# Altium PCB CONTROLLER.PcbDoc (part 1 of 4) (continued)
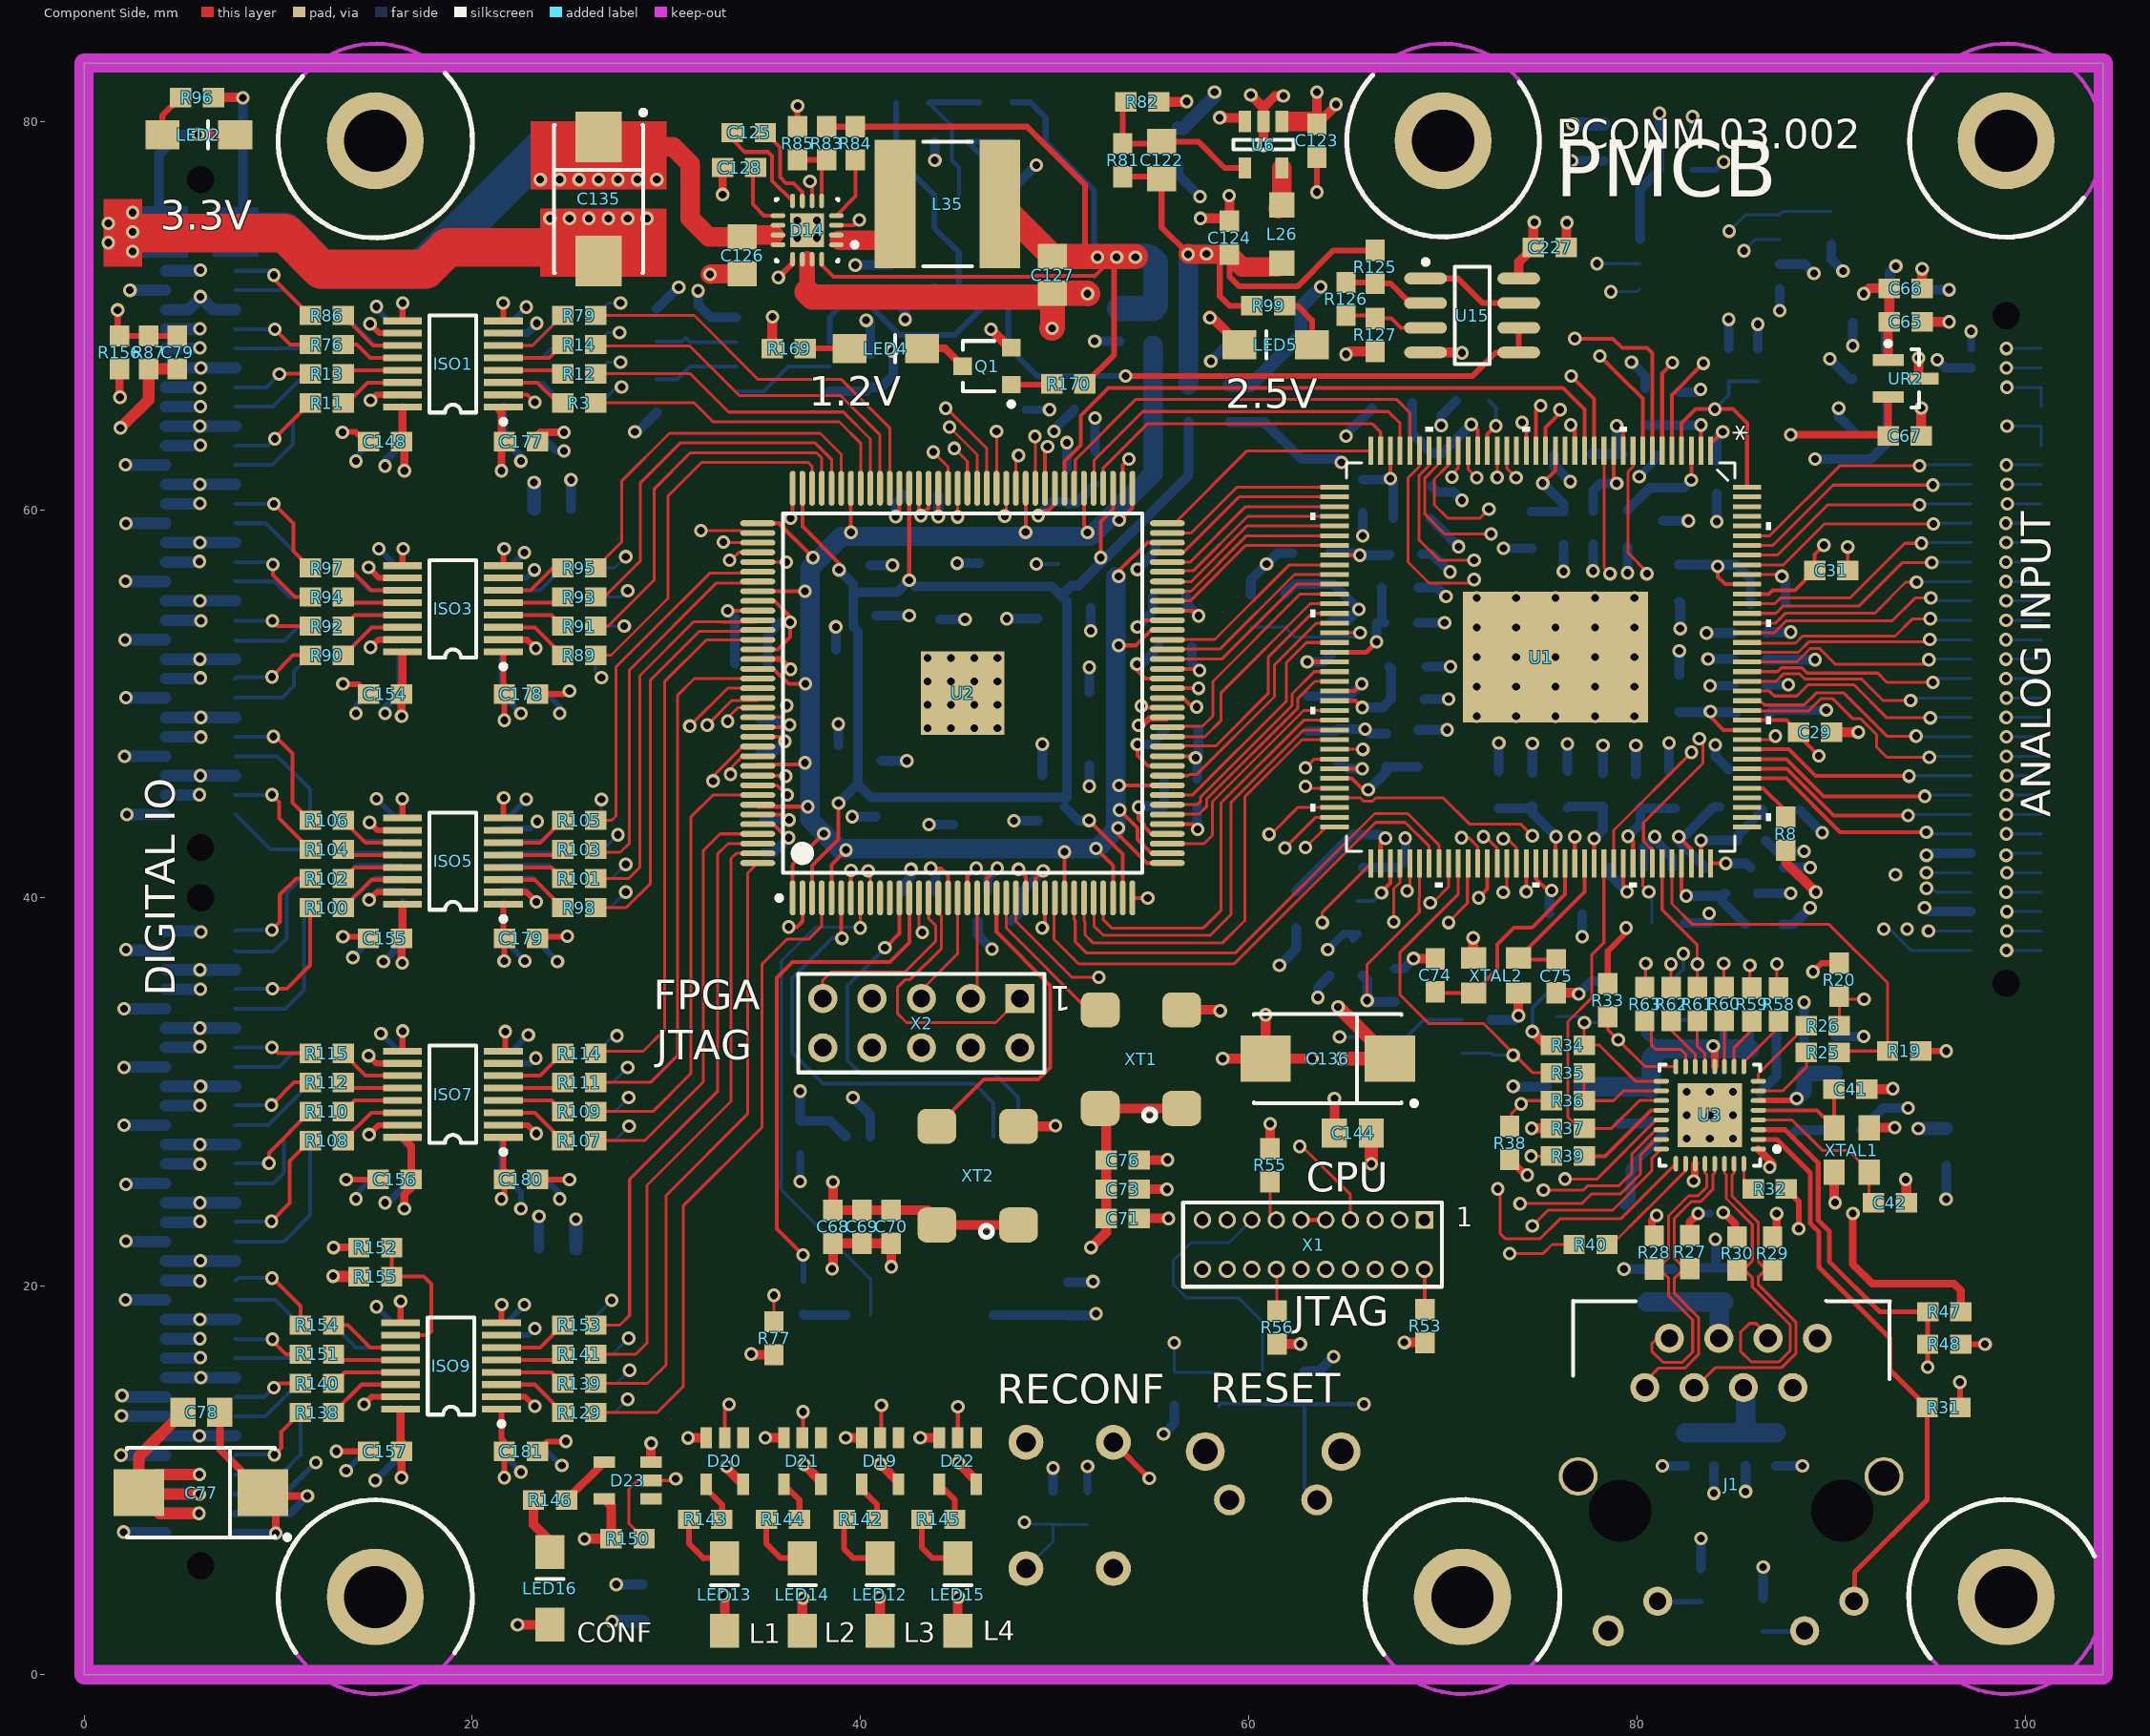
[diagram p0: Component Side view]
## Components (designator, comment, footprint, x,y, rotation, side; value= is the part's Value field where it differs from the comment) (continued)
C100 "ChipCap" "SMD CAP 0603" 40.767,43.332 r270 bottom value=0,1uF
C101 "ChipCap" "SMD CAP 0603" 50.19,58.053 r90 bottom value=2,2uF
C102 "ChipCap" "SMD CAP 0603" 34.366,53.543 r0 bottom value=0,1uF
C103 "ChipCap" "SMD CAP 0603" 43.104,60.757 r0 bottom value=0,1uF
C104 "ChipCap" "SMD CAP 0603" 50.622,61.265 r270 bottom value=0,1uF
C107 "ChipCap" "SMD CAP 0603" 35.027,43.18 r90 bottom value=0,1uF
C110 "ChipCap" "SMD CAP 0603" 43.002,40.31 r0 bottom value=0,1uF
C111 "ChipCap" "SMD CAP 0603" 56.15,52.832 r0 bottom value=0,1uF
C112 "ChipCap" "SMD CAP 0603" 34.823,48.362 r270 bottom value=0,1uF
C113 "ChipCap" "SMD CAP 0603" 34.366,52.07 r0 bottom value=2,2uF
C114 "ChipCap" "SMD CAP 0603" 53.34,69.52 r90 bottom value=2,2uF
C115 "ChipCap" "SMD CAP 0603" 36.881,27.661 r90 bottom value=0,1uF
C116 "ChipCap" "SMD CAP 0603" 50.673,19.355 r270 bottom value=0,1uF
C117 "ChipCap" "SMD CAP 0603" 49.53,54.813 r45 bottom value=2,2uF
C120 "ChipCap" "SMD CAP 0603" 58.014,68.58 r180 bottom value=2,2uF
C121 "ChipCap" "SMD CAP 0603" 54.331,58.191 r180 bottom value=0,1uF
C122 "ChipCap" "SMD CAP 0805" 55.5,78 r270 top value="9pF NP0 5% 50V 0805"
C123 "ChipCap" "SMD CAP 0603" 63.5,79 r90 top value="4,7uF X5R 6,3V 0603"
C124 "ChipCap" "SMD CAP 0603" 59,74 r270 top value="10uF X5R 6,3V 0603"
C125 "ChipCap" "SMD CAP 0603" 34.24,79.416 r0 top value="10nF X7R 10% 25V 0603"
C126 "ChipCap" "SMD CAP 0805" 33.895,73.094 r90 top value="22uF X5R 6.3V 0805"
C127 "ChipCap" "SMD CAP 0805" 49.886,72.085 r90 top value="22uF X5R 6.3V 0805"
C128 "ChipCap" "SMD CAP 0603" 33.745,77.619 r0 top value="10nF X7R 10% 25V 0603"
C129 "ChipCap" "SMD CAP 0603" 82,77.5 r0 bottom value=0,1uF
C130 "ChipCap" "SMD CAP 0603" 82,79 r0 bottom value=2,2uF
C131 "ChipCap" "SMD CAP 0603" 62.865,14.783 r270 bottom value=0,1uF
C132 "ChipCap" "SMD CAP 0603" 51.689,8.585 r270 bottom value=0,01uF
C133 "Tant Cap D-case" D 26.5,76 r270 bottom value="470uF, 6.3V"
C134 "Tant Cap D-case" D 62.687,65.811 r270 bottom value="470uF, 6.3V"
C135 "Tant Cap D-case" D 26.5,76 r270 top value="470uF, 6.3V"
C136 "Tant Cap D-case" D 64.059,31.725 r180 top value="470uF, 6.3V"
C137 "ChipCap" "SMD CAP 0805" 24.384,21.946 r0 bottom value="22uF X5R 6.3V 0805"
C138 "ChipCap" "SMD CAP 0805" 56.363,78.699 r90 bottom value="22uF X5R 6.3V 0805"
C139 "ChipCap" "SMD CAP 0805" 95.91,27.178 r90 bottom value="22uF X5R 6.3V 0805"
C140 "ChipCap" "SMD CAP 0805" 28.778,3.693 r270 bottom value="22uF X5R 6.3V 0805"
C141 "ChipCap" "SMD CAP 0805" 78.257,78.908 r90 bottom value="22uF X5R 6.3V 0805"
C142 "ChipCap" "SMD CAP 0805" 24.13,60.02 r180 bottom value="22uF X5R 6.3V 0805"
C143 "ChipCap" "SMD CAP 0805" 59.004,65.456 r90 bottom value="22uF X5R 6.3V 0805"
C144 "ChipCap" "SMD CAP 0805" 65.354,27.889 r0 top value="22uF X5R 6.3V 0805"
C148 "ChipCap" "SMD CAP 0603" 15.5,63.5 r0 top value=0,1uF
C154 "ChipCap" "SMD CAP 0603" 15.5,50.5 r0 top value=0,1uF
C155 "ChipCap" "SMD CAP 0603" 15.494,37.922 r0 top value=0,1uF
C156 "ChipCap" "SMD CAP 0603" 16,25.5 r0 top value=0,1uF
C157 "ChipCap" "SMD CAP 0603" 15.5,11.5 r0 top value=0,1uF
C161 "ChipCap" "SMD CAP 0603" 15.5,63.5 r180 bottom value=0,1uF
C162 "ChipCap" "SMD CAP 0603" 15.5,50.5 r180 bottom value=0,1uF
C163 "ChipCap" "SMD CAP 0603" 15.5,38 r180 bottom value=0,1uF
C164 "ChipCap" "SMD CAP 0603" 16,25.5 r180 bottom value=0,1uF
C165 "ChipCap" "SMD CAP 0603" 15.5,11.5 r180 bottom value=0,1uF
C169 "ChipCap" "SMD CAP 0603" 22.5,63.5 r180 bottom value=0,1uF
C170 "ChipCap" "SMD CAP 0603" 22.5,50.5 r180 bottom value=0,1uF
C171 "ChipCap" "SMD CAP 0603" 22.5,38 r180 bottom value=0,1uF
C172 "ChipCap" "SMD CAP 0603" 22.5,25.5 r180 bottom value=0,1uF
C173 "ChipCap" "SMD CAP 0603" 22.5,11.5 r180 bottom value=0,1uF
C177 "ChipCap" "SMD CAP 0603" 22.5,63.5 r0 top value=0,1uF
C178 "ChipCap" "SMD CAP 0603" 22.5,50.5 r0 top value=0,1uF
C179 "ChipCap" "SMD CAP 0603" 22.504,37.922 r0 top value=0,1uF
C180 "ChipCap" "SMD CAP 0603" 22.5,25.5 r0 top value=0,1uF
C181 "ChipCap" "SMD CAP 0603" 22.5,11.5 r0 top value=0,1uF
C185 "ChipCap" "SMD CAP 0603" 56.159,14.707 r90 bottom value=0,1uF
C186 "ChipCap" "SMD CAP 0603" 91.948,69.621 r0 bottom value=0,1uF
C188 "ChipCap" "SMD CAP 0603" 91.999,64.033 r0 bottom value=2,2uF
C225 "ChipCap" "SMD CAP 0603" 40.5,67.15 r270 bottom value=0,1uF
C226 "ChipCap" "SMD CAP 0603" 41.605,71.755 r270 bottom value=0,1uF
C227 "ChipCap" "SMD CAP 0603" 75.5,73.5 r180 top value=0,1uF
D14 "TPS62090" QFN50P300X300X100-16N 37.245,74.394 r180 top value=TPS62090RGTR
D19 "Inverted Schmitt Trigger" "TI-SOT23 SOT95P280X145-5N" 41,11 r270 top value=SN74AHC1G14
D20 "Inverted Schmitt Trigger" "TI-SOT23 SOT95P280X145-5N" 33,11 r270 top value=SN74AHC1G14
D21 "Inverted Schmitt Trigger" "TI-SOT23 SOT95P280X145-5N" 37,11 r270 top value=SN74AHC1G14
D22 "Inverted Schmitt Trigger" "TI-SOT23 SOT95P280X145-5N" 45,11 r270 top value=SN74AHC1G14
D23 "Inverted Schmitt Trigger" "TI-SOT23 SOT95P280X145-5N" 28,10 r180 top value=SN74AHC1G14
ISO1 "ISO7140 Isolator" DBQ016 19,67.5 r90 top value=ISO7140
ISO2 "ISO7140 Isolator" DBQ016 19,67.5 r90 bottom value=ISO7140
ISO3 "ISO7140 Isolator" DBQ016 19,54.892 r90 top value=ISO7140
ISO4 "ISO7140 Isolator" DBQ016 18.904,54.892 r90 bottom value=ISO7140
ISO5 "ISO7140 Isolator" DBQ016 19,41.892 r90 top value=ISO7140
ISO6 "ISO7140 Isolator" DBQ016 19,42 r90 bottom value=ISO7140
ISO7 "ISO7140 Isolator" DBQ016 19,29.892 r90 top value=ISO7140
ISO8 "ISO7140 Isolator" DBQ016 18.904,29.892 r90 bottom value=ISO7140
ISO9 "ISO7140 Isolator" DBQ016 18.904,15.892 r90 top value=ISO7140
ISO10 "ISO7140 Isolator" DBQ016 18.904,15.892 r90 bottom value=ISO7140
J1 "J0011D01BNL RJ45wMagnetics" J0011D01BNL 80.391,14.783 r180 top
L1 "LQM21" "SMD IND 0805" 62.433,39.395 r270 bottom value=BLM21PG600SN1D
L2 "LQM21" "SMD IND 0805" 82.144,56.21 r90 bottom value=BLM21PG600SN1D
L3 "LQM21" "SMD IND 0805" 82.169,50.521 r270 bottom value=BLM21PG600SN1D
L4 "LQM21" "SMD IND 0805" 79.502,59.03 r270 bottom value=BLM21PG600SN1D
L5 "LQM21" "SMD IND 0805" 84.252,45.644 r90 bottom value=BLM21PG600SN1D
L6 "LQM21" "SMD IND 0805" 87.407,44.53 r0 bottom value=BLM21PG600SN1D
L8 "LQM21" "SMD IND 0805" 91.512,27.088 r270 bottom value=BLM21PG600SN1D
L9 "LQM21" "SMD IND 0805" 76.284,30.273 r0 bottom value=BLM21PG600SN1D
L10 "LQM21" "SMD IND 0805" 80.416,65.38 r90 bottom value=BLM21PG600SN1D
L11 "LQM21" "SMD IND 0805" 68.712,47.705 r90 bottom value=BLM21PG600SN1D
L12 "LQM21" "SMD IND 0805" 76.676,62.83 r180 bottom value=BLM21PG600SN1D
L13 "LQM21" "SMD IND 0805" 74.473,58.953 r270 bottom value=BLM21PG600SN1D
L14 "LQM21" "SMD IND 0805" 68.174,51.918 r0 bottom value=BLM21PG600SN1D
L15 "LQM21" "SMD IND 0805" 67.793,55.982 r0 bottom value=BLM21PG600SN1D
L16 "LQM21" "SMD IND 0805" 67.31,65.227 r180 bottom value=BLM21PG600SN1D
L17 "LQM21" "SMD IND 0805" 63.195,57.76 r180 bottom value=BLM21PG600SN1D
L18 "LQM21" "SMD IND 0805" 68.377,59.563 r0 bottom value=BLM21PG600SN1D
L19 "LQM21" "SMD IND 0805" 72.873,45.568 r90 bottom value=BLM21PG600SN1D
L20 "LQM21" "SMD IND 0805" 76.403,45.593 r90 bottom value=BLM21PG600SN1D
L21 "LQM21" "SMD IND 0805" 81.636,45.593 r90 bottom value=BLM21PG600SN1D
L22 "LQM21" "SMD IND 0805" 86.563,38.506 r0 bottom value=BLM21PG600SN1D
L25 "LQM21" "SMD IND 0805" 56.896,65.481 r270 bottom value=BLM21PG600SN1D
L26 "CDRH2D14" "CDRH2D14 IND" 61.693,75.693 r270 top value=2.2uH
L35 "LQH66S" "INDC6363X50N LQH66S" 44.475,75.743 r0 top value=1uH
L36 "LQM21" "SMD IND 0805" 55.067,69.418 r270 bottom value=BLM21PG220SN1D
LED2 "LED BLH" "1206 LED" 7.789,79.299 r180 top value="LED BLH 0603 RED"
LED4 "LED BLH" "1206 LED" 43.171,68.301 r180 top value="LED BLH 0603 RED"
LED5 "LED BLH" "1206 LED" 59.5,68.5 r0 top value="LED BLH 0603 RED"
LED12 "LED BLH" "1206 LED" 41,6 r270 top value="LED BLH 0603 RED"
LED13 "LED BLH" "1206 LED" 33,6 r270 top value="LED BLH 0603 RED"
LED14 "LED BLH" "1206 LED" 37,6 r270 top value="LED BLH 0603 RED"
LED15 "LED BLH" "1206 LED" 45,6 r270 top value="LED BLH 0603 RED"
LED16 "LED BLH" "1206 LED" 24,6.318 r270 top value="LED BLH 0603 RED"
Q1 "BC847BLT1" 318-08 46.507,67.386 r90 top
R3 "Rsize" "SMD RES 0603" 25.5,65.5 r0 top value=50R
R6 "Rsize" "SMD RES 0603" 81.61,38.71 r180 bottom value=0R0
R8 "Rsize" "SMD RES 0603" 87.655,43.307 r270 top value=0R0
R10 "Rsize" "SMD RES 0603" 85.776,53.848 r0 bottom value=0R0
R11 "Rsize" "SMD RES 0603" 12.5,65.5 r0 top value=50R
R12 "Rsize" "SMD RES 0603" 25.5,67 r0 top value=50R
R13 "Rsize" "SMD RES 0603" 12.5,67 r0 top value=50R
R14 "Rsize" "SMD RES 0603" 25.5,68.5 r0 top value=50R
R15 "Rsize" "SMD RES 0603" 84.48,34.544 r270 bottom value=2k2
R16 "Rsize" "SMD RES 0603" 85.877,34.544 r270 bottom value=2k2
R17 "Rsize" "SMD RES 0603" 80.264,34.544 r270 bottom value=2k2
R18 "Rsize" "SMD RES 0603" 83.116,34.565 r90 bottom value=2k2
R19 "Rsize" "SMD RES 0603" 93.747,32.117 r180 top value=2k2
R20 "Rsize" "SMD RES 0603" 90.399,35.789 r270 top value=2k2
R21 "Rsize" "SMD RES 0603" 87.274,34.493 r90 bottom value=2k2
R22 "Rsize" "SMD RES 0603" 85.801,52.426 r0 bottom value=0R0
R23 "Rsize" "SMD RES 0603" 85.827,50.851 r0 bottom value=0R0
R25 "Rsize" "SMD RES 0603" 89.556,32.041 r180 top value=50R
R26 "Rsize" "SMD RES 0603" 89.556,33.413 r180 top value=50R
R27 "Rsize" "SMD RES 0603" 82.702,21.768 r90 top value=50R
R28 "Rsize" "SMD RES 0603" 80.874,21.742 r90 top value=50R
R29 "Rsize" "SMD RES 0603" 86.97,21.692 r90 top value=50R
R30 "Rsize" "SMD RES 0603" 85.141,21.692 r90 top value=50R
R31 "Rsize" "SMD RES 0603" 95.783,13.767 r180 top value=10k
R32 "Rsize" "SMD RES 0603" 86.825,25.015 r0 top value="12k1, 1%"
R33 "Rsize" "SMD RES 0603" 78.482,34.733 r270 top value=2k2
R34 "Rsize" "SMD RES 0603" 76.424,32.417 r0 top value=10k
R35 "Rsize" "SMD RES 0603" 76.424,30.989 r0 top value=NP
R36 "Rsize" "SMD RES 0603" 76.424,29.562 r0 top value=0R0
R37 "Rsize" "SMD RES 0603" 76.424,28.134 r0 top value=2k2
R38 "Rsize" "SMD RES 0603" 73.431,27.381 r90 top value=2k2
R39 "Rsize" "SMD RES 0603" 76.424,26.707 r0 top value=0R0
R40 "Rsize" "SMD RES 0603" 77.597,22.149 r0 top value=50R
R41 "Rsize" "SMD RES 0603" 82.481,11.604 r270 bottom value=NP
R42 "Rsize" "SMD RES 0603" 80.5,20.037 r90 bottom value=NP
R43 "Rsize" "SMD RES 0603" 87.154,11.604 r270 bottom value=10R
R44 "Rsize" "SMD RES 0603" 81.864,20.041 r90 bottom value=10R
R45 "Rsize" "SMD RES 0603" 83.954,11.604 r90 bottom value=NP
R46 "Rsize" "SMD RES 0603" 83.287,20.091 r270 bottom value=NP
R47 "Rsize" "SMD RES 0603" 95.819,18.69 r0 top value=NP
R48 "Rsize" "SMD RES 0603" 95.809,17.018 r180 top value=1k
R49 "Rsize" "SMD RES 0603" 86.487,3.073 r270 bottom value=330R
R50 "Rsize" "SMD RES 0603" 83.287,4.623 r270 bottom value=330R
R52 "Rsize" "SMD RES 0603" 86.208,67.462 r90 bottom value=2k2
R53 "Rsize" "SMD RES 0603" 69.063,17.958 r270 top value=2k2
R54 "Rsize" "SMD RES 0603" 60.706,14.808 r270 bottom value=0R0
R55 "Rsize" "SMD RES 0603" 61.087,26.238 r270 top value=4k7
R56 "Rsize" "SMD RES 0603" 61.443,17.882 r90 top value=4k7
R58 "Rsize" "SMD RES 0603" 87.274,34.519 r270 top value=50R
R59 "Rsize" "SMD RES 0603" 85.903,34.519 r270 top value=50R
R60 "Rsize" "SMD RES 0603" 84.48,34.544 r270 top value=50R
R61 "Rsize" "SMD RES 0603" 83.1,34.53 r270 top value=50R
R62 "Rsize" "SMD RES 0603" 81.743,34.53 r270 top value=50R
R63 "Rsize" "SMD RES 0603" 80.387,34.53 r270 top value=50R
R64 "Rsize" "SMD RES 0603" 90,74.5 r270 bottom value=10k
R76 "Rsize" "SMD RES 0603" 12.5,68.5 r0 top value=50R
R77 "Rsize" "SMD RES 0603" 35.535,17.323 r270 top value=10k
R78 "Rsize" "SMD RES 0603" 49.911,8.611 r90 bottom value=10k
R79 "Rsize" "SMD RES 0603" 25.5,70 r0 top value=50R
R80 "Rsize" "SMD RES 0603" 37.059,19.406 r90 bottom value=25R
R81 "Rsize" "SMD RES 0603" 53.5,78 r270 top value="402k, 1%"
R82 "Rsize" "SMD RES 0603" 54.5,81 r180 top value="100k, 1%"
R83 "Rsize" "SMD RES 0603" 38.245,78.873 r90 top value="80k6, 1%"
R84 "Rsize" "SMD RES 0603" 39.726,78.867 r90 top value="499k, 1%"
R85 "Rsize" "SMD RES 0603" 36.745,78.873 r270 top value="158k, 1%"
R86 "Rsize" "SMD RES 0603" 12.5,70 r0 top value=50R
R87 "Rsize" "SMD RES 0603" 3.327,68.097 r90 top value=2k2
R88 "Rsize" "SMD RES 0603" 58.471,14.707 r90 bottom value=10k
R89 "Rsize" "SMD RES 0603" 25.5,52.5 r0 top value=50R
R90 "Rsize" "SMD RES 0603" 12.5,52.5 r0 top value=50R
R91 "Rsize" "SMD RES 0603" 25.5,54 r0 top value=50R
R92 "Rsize" "SMD RES 0603" 12.5,54 r0 top value=50R
R93 "Rsize" "SMD RES 0603" 25.5,55.5 r0 top value=50R
R94 "Rsize" "SMD RES 0603" 12.5,55.5 r0 top value=50R
R95 "Rsize" "SMD RES 0603" 25.5,57 r0 top value=50R
R96 "Rsize" "SMD RES 0603" 5.817,81.229 r180 top value=180R
R97 "Rsize" "SMD RES 0603" 12.5,57 r0 top value=50R
R98 "Rsize" "SMD RES 0603" 25.5,39.5 r0 top value=50R
R99 "Rsize" "SMD RES 0603" 61,70.5 r0 top value=120R
R100 "Rsize" "SMD RES 0603" 12.5,39.5 r0 top value=50R
R101 "Rsize" "SMD RES 0603" 25.5,41 r0 top value=50R
R102 "Rsize" "SMD RES 0603" 12.5,41 r0 top value=50R
R103 "Rsize" "SMD RES 0603" 25.5,42.5 r0 top value=50R
R104 "Rsize" "SMD RES 0603" 12.5,42.5 r0 top value=50R
R105 "Rsize" "SMD RES 0603" 25.5,44 r0 top value=50R
R106 "Rsize" "SMD RES 0603" 12.5,44 r0 top value=50R
R107 "Rsize" "SMD RES 0603" 25.5,27.5 r0 top value=50R
R108 "Rsize" "SMD RES 0603" 12.5,27.5 r0 top value=50R
R109 "Rsize" "SMD RES 0603" 25.5,29 r0 top value=50R
R110 "Rsize" "SMD RES 0603" 12.5,29 r0 top value=50R
R111 "Rsize" "SMD RES 0603" 25.5,30.5 r0 top value=50R
R112 "Rsize" "SMD RES 0603" 12.5,30.5 r0 top value=50R
R114 "Rsize" "SMD RES 0603" 25.5,32 r0 top value=50R
R115 "Rsize" "SMD RES 0603" 12.5,32 r0 top value=50R
R117 "Rsize" "SMD RES 0603" 29.5,65.85 r90 bottom value="499k, 1%"
R118 "Rsize" "SMD RES 0603" 31,68 r90 bottom value="60k4, 1%"
R119 "Rsize" "SMD RES 0603" 29.5,69.5 r90 bottom value="294k, 1%"
R121 "Rsize" "SMD RES 0603" 42.673,80.941 r0 bottom value="80k, 1%"
R122 "Rsize" "SMD RES 0603" 46.965,80.975 r0 bottom value="10k, 1%"
R123 "Rsize" "SMD RES 0603" 48.673,78.941 r180 bottom value="5k, 1%"
R125 "Rsize" "SMD RES 0603" 66.5,72.5 r270 top value="576k, 1%"
R126 "Rsize" "SMD RES 0603" 65,70.85 r270 top value="121k, 1%"
R127 "Rsize" "SMD RES 0603" 66.5,69 r270 top value="604k, 1%"
R129 "Rsize" "SMD RES 0603" 25.5,13.5 r0 top value=50R
R130 "Rsize" "SMD RES 0603" 70.942,32.868 r270 bottom value=57.6k
R131 "Rsize" "SMD RES 0603" 72.466,32.868 r90 bottom value=NP
R132 "Rsize" "SMD RES 0603" 75.844,34.747 r270 bottom value=57.6k
R133 "Rsize" "SMD RES 0603" 78.562,34.874 r90 bottom value=NP
R134 "Rsize" "SMD RES 0603" 60.096,54.788 r270 bottom value=57.6k
R135 "Rsize" "SMD RES 0603" 61.849,54.813 r90 bottom value=NP
R136 "Rsize" "SMD RES 0603" 65,36 r0 bottom value=57.6k
R137 "Rsize" "SMD RES 0603" 67.5,35.5 r90 bottom value=NP
R138 "Rsize" "SMD RES 0603" 12,13.5 r0 top value=50R
R139 "Rsize" "SMD RES 0603" 25.5,15 r0 top value=50R
R140 "Rsize" "SMD RES 0603" 12,15 r0 top value=50R
R141 "Rsize" "SMD RES 0603" 25.5,16.5 r0 top value=50R
R142 "Rsize" "SMD RES 0603" 40,8 r180 top value=180R
R143 "Rsize" "SMD RES 0603" 32,8 r180 top value=180R
R144 "Rsize" "SMD RES 0603" 36,8 r180 top value=180R
R145 "Rsize" "SMD RES 0603" 44,8 r180 top value=180R
R146 "Rsize" "SMD RES 0603" 24,9 r180 top value=180R
R150 "Rsize" "SMD RES 0603" 28,7 r180 top value=10k
R151 "Rsize" "SMD RES 0603" 12,16.5 r0 top value=50R
R152 "Rsize" "SMD RES 0603" 15,22 r180 top value=2k2
R153 "Rsize" "SMD RES 0603" 25.5,18 r0 top value=50R
R154 "Rsize" "SMD RES 0603" 12,18 r0 top value=50R
R155 "Rsize" "SMD RES 0603" 15,20.5 r0 top value=NP
R156 "Rsize" "SMD RES 0603" 1.829,68.097 r270 top value=NP
R157 "Rsize" "SMD RES 0603" 48.5,66 r270 bottom value=10k
R158 "Rsize" "SMD RES 0603" 51,66 r90 bottom value=NP
R159 "Rsize" "SMD RES 0603" 44.673,78.941 r180 bottom value="120k, 1%"
R160 "Rsize" "SMD RES 0603" 12.5,65.5 r180 bottom value=50R
R161 "Rsize" "SMD RES 0603" 25.5,65.5 r180 bottom value=50R
R162 "Rsize" "SMD RES 0603" 12.5,67 r180 bottom value=50R
R163 "Rsize" "SMD RES 0603" 25.5,67 r180 bottom value=50R
R164 "Rsize" "SMD RES 0603" 12.5,68.5 r180 bottom value=50R
R165 "Rsize" "SMD RES 0603" 25.5,68.5 r180 bottom value=50R
R166 "Rsize" "SMD RES 0603" 12.5,70 r180 bottom value=50R
R167 "Rsize" "SMD RES 0603" 25.5,70 r180 bottom value=50R
R168 "Rsize" "SMD RES 0603" 12.5,52.5 r180 bottom value=50R
R169 "Rsize" "SMD RES 0603" 36.297,68.301 r0 top value=180R
R170 "Rsize" "SMD RES 0603" 50.698,66.472 r180 top value=1k
R171 "Rsize" "SMD RES 0603" 25.5,52.5 r180 bottom value=50R
R172 "Rsize" "SMD RES 0603" 12.5,54 r180 bottom value=50R
R173 "Rsize" "SMD RES 0603" 25.5,54 r180 bottom value=50R
R174 "Rsize" "SMD RES 0603" 12.5,55.5 r180 bottom value=50R
R175 "Rsize" "SMD RES 0603" 25.5,55.5 r180 bottom value=50R
R176 "Rsize" "SMD RES 0603" 12.5,57 r180 bottom value=50R
R177 "Rsize" "SMD RES 0603" 25.5,57 r180 bottom value=50R
R178 "Rsize" "SMD RES 0603" 12.5,39.5 r180 bottom value=50R
R179 "Rsize" "SMD RES 0603" 25.5,39.5 r180 bottom value=50R
R180 "Rsize" "SMD RES 0603" 12.5,41 r180 bottom value=50R
R181 "Rsize" "SMD RES 0603" 25.5,41 r180 bottom value=50R
R182 "Rsize" "SMD RES 0603" 12.5,42.5 r180 bottom value=50R
R183 "Rsize" "SMD RES 0603" 25.5,42.5 r180 bottom value=50R
R184 "Rsize" "SMD RES 0603" 12.5,44 r180 bottom value=50R
R185 "Rsize" "SMD RES 0603" 25.5,44 r180 bottom value=50R
R186 "Rsize" "SMD RES 0603" 12.5,27.5 r180 bottom value=50R
R187 "Rsize" "SMD RES 0603" 25.5,27.5 r180 bottom value=50R
R188 "Rsize" "SMD RES 0603" 12.5,29 r180 bottom value=50R
R189 "Rsize" "SMD RES 0603" 25.5,29 r180 bottom value=50R
R190 "Rsize" "SMD RES 0603" 12.5,30.5 r180 bottom value=50R
R191 "Rsize" "SMD RES 0603" 25.5,30.5 r180 bottom value=50R
R192 "Rsize" "SMD RES 0603" 12.5,32 r180 bottom value=50R
R193 "Rsize" "SMD RES 0603" 25.5,32 r180 bottom value=50R
R194 "Rsize" "SMD RES 0603" 12,13.5 r180 bottom value=50R
R195 "Rsize" "SMD RES 0603" 25.5,13.5 r180 bottom value=50R
R196 "Rsize" "SMD RES 0603" 12,15 r180 bottom value=50R
R197 "Rsize" "SMD RES 0603" 25.5,15 r180 bottom value=50R
R198 "Rsize" "SMD RES 0603" 12,16.5 r180 bottom value=50R
R199 "Rsize" "SMD RES 0603" 25.5,16.5 r180 bottom value=50R
R200 "Rsize" "SMD RES 0603" 12,18 r180 bottom value=50R
R201 "Rsize" "SMD RES 0603" 25.5,18 r180 bottom value=50R
RECONF "Button TYCO 1-1825910-4" "1-1825910-4 BUTTON VERT" 48.514,5.463 r270 top value=1-1825910-4
RESET "Button" "1-1825027-1 BUTTON" 59,9 r0 top value=1-1825027-1
U1 "F28M35H52C_RFP_1" RFP144 75.034,52.406 r270 top value=Value
U2 "EP3C25E144C7" EQFP144_N 45.25,50.55 r90 top
U3 "LAN8710AI" 32M1-A_N 83.74,28.815 r180 top
U5 "EPCS64SI16N" SOIC16_M 43.674,23.116 r90 bottom
U6 "LM3674MF-ADJ" MF05A_N 60.743,78.797 r270 top
U7 "AT25DF321A serial flash" SOIC127P800X216-8N 83.736,73.284 r180 bottom value=AT25DF321A
U13 "MC33161D" 751-05_N 36,68 r0 bottom
U14 "MC33161D" 751-05_N 45.695,73.812 r270 bottom
U15 "MC33161D" 751-05_N 71.5,70 r0 top
UR1 "Reference voltage regulator" SOT95P237X120-3N 91.973,66.726 r180 bottom value=2.5V
UR2 "Reference voltage regulator" SOT95P237X120-3N 93.828,66.751 r0 top value=1.25V
X1 "TI 20pin JTAG" "MHDR2X10 - 2" 69.037,23.419 r180 top
X2 "Header 5X2" "HDR2X5 NoOverlay" 48.209,34.823 r180 top
X3 "Connector TE 64 pos" "5120521-1 FEM" 6,40 r270 bottom locked value=51205XX-1
X4 "Connector TE 64 pos" "5120521-1 FEM" 6,77 r270 bottom locked value=51205XX-1
X5 "Connector TE 64 pos" "5120521-1 FEM" 99,35.6 r90 bottom value=51205XX-1
XT1 "Crystal generator KXO-V97" KXO-V97 56.54,29.159 r90 top value="KXO-V97, 50MHz"
XT2 "Crystal generator KXO-V97" KXO-V97 48.132,23.159 r90 top value="KXO-V97, 20MHz"
XTAL1 "KX-7" "KX-7 XTAL" 91.945,25.869 r90 top value="KX-7 25MHz"
XTAL2 "KX-7" "KX-7 XTAL" 71.577,35.103 r0 top value="KX-7 20MHz"

## Footprints (in the part's own frame and the unit in brackets; to place one, negate y for a bottom-side part, rotate by r counter-clockwise, add the part's x,y. Pads: shape width x height; smd on the part's side, far side on the other; paste and mask are expansions set on the pad)
"1-1825027-1 BUTTON" [mm]
  round 1.6 hole 1: 1(0,0) 2(4.5,0)
  round 2 hole 1.3: NC(-1.25,2.49) NC_1(5.75,2.49)
  body extent -1.98,-8.31 6.43,4.04, height 7
"1-1825910-4 BUTTON VERT" [mm]
  round 1.8 hole 1: 1(0,0) 2(-6.5,0) 3(0,4.5) 4(-6.5,4.5)
  body extent -7.08,-0.76 0.72,5.23, height 3.01
32M1-A_N [mm] "32-Pin Quad Flat No-Lead 0.5 mm Pitch, IPC Medium Density"
  oval 0.8x0.25 smd: 1(-2.5,1.75) 2(-2.5,1.25) 3(-2.5,0.75) 4(-2.5,0.25) 5(-2.5,-0.25) 6(-2.5,-0.75) 7(-2.5,-1.25) 8(-2.5,-1.75) 17(2.5,-1.75) 18(2.5,-1.25) 19(2.5,-0.75) 20(2.5,-0.25) 21(2.5,0.25) 22(2.5,0.75) 23(2.5,1.25) 24(2.5,1.75)
  oval 0.25x0.8 smd: 9(-1.75,-2.5) 10(-1.25,-2.5) 11(-0.75,-2.5) 12(-0.25,-2.5) 13(0.25,-2.5) 14(0.75,-2.5) 15(1.25,-2.5) 16(1.75,-2.5) 25(1.75,2.5) 26(1.25,2.5) 27(0.75,2.5) 28(0.25,2.5) 29(-0.25,2.5) 30(-0.75,2.5) 31(-1.25,2.5) 32(-1.75,2.5)
  rect 3.3x3.3 smd: 33(0,0)
  silkscreen extent -3.58,-2.6 2.6,2.6, body extent -2.58,-2.58 2.58,2.58, height 1
318-08 [mm] "SOT-23; 3 Leads; Body 3.0 x 2.6 mm, inc. leads (LxW max)"
  rect 0.9x0.95 smd: 1(-0.95,-1.25) 2(0.95,-1.25) 3(0,1.25)
  silkscreen extent -2.07,-1.38 1.3,1.25
751-05_N [mm] "SOIC, 8-Leads, Body 4.9x3.9mm, Pitch 1.27mm, IPC Medium Density"
  oval 2.2x0.6 smd: 1(-2.4,1.905) 2(-2.4,0.635) 3(-2.4,-0.635) 4(-2.4,-1.905) 5(2.4,-1.905) 6(2.4,-0.635) 7(2.4,0.635) 8(2.4,1.905)
  silkscreen extent -2.52,-2.5 0.9,2.88, body extent -1.95,-2.45 1.95,2.45, height 1.75
"1206 LED" [mm]
  rect 1.75x1.5 smd: 1(0,0) 2(3.75,0)
  silkscreen extent 1.4,-0.7 1.4,0.7, body extent 0.2,-0.8 3.4,0.8, height 1.1
"5120521-1 FEM" [mm] "Розетка"
  rect 0x0 hole 1.4 unplated: 0(0,0) 0(34.4,0)
  rect 0.6x2.4 smd: 1(1.7,-1.8) 2(2.7,-1.8) 3(3.7,-1.8) 4(4.7,-1.8) 5(5.7,-1.8) 6(6.7,-1.8) 7(7.7,-1.8) 8(8.7,-1.8) 9(9.7,-1.8) 10(10.7,-1.8) 11(11.7,-1.8) 12(12.7,-1.8) 13(13.7,-1.8) 14(14.7,-1.8) 15(15.7,-1.8) 16(16.7,-1.8) 17(17.7,-1.8) 18(18.7,-1.8) 19(19.7,-1.8) 20(20.7,-1.8) 21(21.7,-1.8) 22(22.7,-1.8) 23(23.7,-1.8) 24(24.7,-1.8) 25(25.7,-1.8) 26(26.7,-1.8) 27(27.7,-1.8) 28(28.7,-1.8) 29(29.7,-1.8) 30(30.7,-1.8) 31(31.7,-1.8) 32(32.7,-1.8) 33(32.7,1.8) 34(31.7,1.8) 35(30.7,1.8) 36(29.7,1.8) 37(28.7,1.8) 38(27.7,1.8) 39(26.7,1.8) 40(25.7,1.8) 41(24.7,1.8) 42(23.7,1.8) 43(22.7,1.8) 44(21.7,1.8) 45(20.7,1.8) 46(19.7,1.8) 47(18.7,1.8) 48(17.7,1.8) 49(16.7,1.8) 50(15.7,1.8) 51(14.7,1.8) 52(13.7,1.8) 53(12.7,1.8) 54(11.7,1.8) 55(10.7,1.8) 56(9.7,1.8) 57(8.7,1.8) 58(7.7,1.8) 59(6.7,1.8) 60(5.7,1.8) 61(4.7,1.8) 62(3.7,1.8) 63(2.7,1.8) 64(1.7,1.8)
  body extent -0.75,-3.02 35.15,3.03, height 5.37
"CDRH2D14 IND" [mm]
  rect 1.3x1.3 smd: 1(0,0) 2(3,0)
  body extent -0.2,-1.6 3.2,1.6, height 1.55
D [mm] "Capacitor, SM Tantalum; Body 7.3 x 4.3 mm (LxW typ)"
  rect 2.6x2.4 smd: 1(-3.2,0) 2(3.2,0)
  silkscreen extent -4.58,-2.3 3.8,2.42, body extent -3.8,-2.3 3.8,2.3, height 3.15
DBQ016 [mm] "SSOP; 16 Leads; Body Width 3.9 mm; Pitch 0.635 mm"
  rect 0.35x2 smd: 1(-2.222,-2.6) 2(-1.587,-2.6) 3(-0.952,-2.6) 4(-0.317,-2.6) 5(0.318,-2.6) 6(0.953,-2.6) 7(1.588,-2.6) 8(2.222,-2.6) 9(2.222,2.6) 10(1.587,2.6) 11(0.952,2.6) 12(0.317,2.6) 13(-0.318,2.6) 14(-0.953,2.6) 15(-1.588,2.6) 16(-2.222,2.6)
  silkscreen extent -3.1,-2.73 2.5,1.2
EQFP144_N [mm] "Thin QFP, 144-Leads, Body 20x20mm, Pitch 0.5mm, IPC Medium Density"
  oval 1.8x0.3 smd: 1(-10.55,8.75) 2(-10.55,8.25) 3(-10.55,7.75) 4(-10.55,7.25) 5(-10.55,6.75) 6(-10.55,6.25) 7(-10.55,5.75) 8(-10.55,5.25) 9(-10.55,4.75) 10(-10.55,4.25) 11(-10.55,3.75) 12(-10.55,3.25) 13(-10.55,2.75) 14(-10.55,2.25) 15(-10.55,1.75) 16(-10.55,1.25) 17(-10.55,0.75) 18(-10.55,0.25) 19(-10.55,-0.25) 20(-10.55,-0.75) 21(-10.55,-1.25) 22(-10.55,-1.75) 23(-10.55,-2.25) 24(-10.55,-2.75) 25(-10.55,-3.25) 26(-10.55,-3.75) 27(-10.55,-4.25) 28(-10.55,-4.75) 29(-10.55,-5.25) 30(-10.55,-5.75) 31(-10.55,-6.25) 32(-10.55,-6.75) 33(-10.55,-7.25) 34(-10.55,-7.75) 35(-10.55,-8.25) 36(-10.55,-8.75) 73(10.55,-8.75) 74(10.55,-8.25) 75(10.55,-7.75) 76(10.55,-7.25) 77(10.55,-6.75) 78(10.55,-6.25) 79(10.55,-5.75) 80(10.55,-5.25) 81(10.55,-4.75) 82(10.55,-4.25) 83(10.55,-3.75) 84(10.55,-3.25) 85(10.55,-2.75) 86(10.55,-2.25) 87(10.55,-1.75) 88(10.55,-1.25) 89(10.55,-0.75) 90(10.55,-0.25) 91(10.55,0.25) 92(10.55,0.75) 93(10.55,1.25) 94(10.55,1.75) 95(10.55,2.25) 96(10.55,2.75) 97(10.55,3.25) 98(10.55,3.75) 99(10.55,4.25) 100(10.55,4.75) 101(10.55,5.25) 102(10.55,5.75) 103(10.55,6.25) 104(10.55,6.75) 105(10.55,7.25) 106(10.55,7.75) 107(10.55,8.25) 108(10.55,8.75)
  oval 0.3x1.8 smd: 37(-8.75,-10.55) 38(-8.25,-10.55) 39(-7.75,-10.55) 40(-7.25,-10.55) 41(-6.75,-10.55) 42(-6.25,-10.55) 43(-5.75,-10.55) 44(-5.25,-10.55) 45(-4.75,-10.55) 46(-4.25,-10.55) 47(-3.75,-10.55) 48(-3.25,-10.55) 49(-2.75,-10.55) 50(-2.25,-10.55) 51(-1.75,-10.55) 52(-1.25,-10.55) 53(-0.75,-10.55) 54(-0.25,-10.55) 55(0.25,-10.55) 56(0.75,-10.55) 57(1.25,-10.55) 58(1.75,-10.55) 59(2.25,-10.55) 60(2.75,-10.55) 61(3.25,-10.55) 62(3.75,-10.55) 63(4.25,-10.55) 64(4.75,-10.55) 65(5.25,-10.55) 66(5.75,-10.55) 67(6.25,-10.55) 68(6.75,-10.55) 69(7.25,-10.55) 70(7.75,-10.55) 71(8.25,-10.55) 72(8.75,-10.55) 109(8.75,10.55) 110(8.25,10.55) 111(7.75,10.55) 112(7.25,10.55) 113(6.75,10.55) 114(6.25,10.55) 115(5.75,10.55) 116(5.25,10.55) 117(4.75,10.55) 118(4.25,10.55) 119(3.75,10.55) 120(3.25,10.55) 121(2.75,10.55) 122(2.25,10.55) 123(1.75,10.55) 124(1.25,10.55) 125(0.75,10.55) 126(0.25,10.55) 127(-0.25,10.55) 128(-0.75,10.55) 129(-1.25,10.55) 130(-1.75,10.55) 131(-2.25,10.55) 132(-2.75,10.55) 133(-3.25,10.55) 134(-3.75,10.55) 135(-4.25,10.55) 136(-4.75,10.55) 137(-5.25,10.55) 138(-5.75,10.55) 139(-6.25,10.55) 140(-6.75,10.55) 141(-7.25,10.55) 142(-7.75,10.55) 143(-8.25,10.55) 144(-8.75,10.55)
  rect 4.3x4.3 smd: 145(0,0)
  silkscreen extent -10.67,-9.25 9.25,9.57, body extent -10,-10 10,10, height 1.6
"HDR2X5 NoOverlay" [mm] "Connector; Header; 5x2 Position"
  rect 1.5x1.5 hole 0.9: 1(0,0)
  round 1.5 hole 0.9: 2(0,2.54) 3(2.54,0) 4(2.54,2.54) 5(5.08,0) 6(5.08,2.54) 7(7.62,0) 8(7.62,2.54) 9(10.16,0) 10(10.16,2.54)
  silkscreen extent -1.27,-1.27 11.43,3.81
"INDC6363X50N LQH66S" [mm] "Chip Inductor, 2-Leads, Body 6,3x6,3mm, IPC Medium Density"
  rect 2.1x6.6 smd: 1(-2.7,0) 2(2.7,0)
  silkscreen extent -1.25,-3.2 1.25,3.2, body extent -3.3,-3.3 3.3,3.3, height 5
J0011D01BNL [mm] "RJ45wMagnetics"
  round 0 hole 3.2: 0(-10.16,6.35) 0(1.27,6.35)
  round 1.5 hole 0.9: 1(0,0) 2(-1.27,-2.54) 3(-2.54,0) 4(-3.81,-2.54) 5(-5.08,0) 6(-6.35,-2.54) 7(-7.62,0) 8(-8.89,-2.54) 10(-0.66,10.998) 11(-8.23,12.522) 12(-10.77,10.998)
  round 1.6 hole 1: 9(1.88,12.522)
  round 2 hole 1.6: 13(-12.319,4.572) 14(3.429,4.572)
  silkscreen extent -12.62,-4.47 3.68,-0.43, body extent -12.65,-4.45 3.76,17.22, height 13.87
"KX-7 XTAL" [mm] "KX-7 XTAL 3225"
  rect 1.3x1.1 smd: 1(0,0) 2(2.3,0) 3(2.3,1.8) 4(0,1.8)
  body extent -0.45,-0.33 2.75,2.17, height 0.8
KXO-V97 [mm] "KXO-V97"
  rrect50% 1.8x2 smd: 1(0,0) 2(5.08,0) 3(5.08,4.2) 4(0,4.2)
  silkscreen extent -0.64,1.34 -0.02,1.96, body extent -1,-0.4 6,4.68, height 1.3
MF05A_N [mm] "SOT23, 5-Leads, Body 2.9x1.6mm, Pitch 0.95mm, Lead Span 2.8mm, IPC Medium Density"
  rect 1.1x0.65 smd: 1(-1.2,0.95) 2(-1.2,0) 3(-1.2,-0.95) 4(1.2,-0.95) 5(1.2,0.95)
  silkscreen extent -0.25,-1.55 0.25,1.55, body extent -0.9,-1.55 0.9,1.55, height 1.19
"MHDR2X10 - 2" [mm] "Connector; Header; 10x2 Position (1,27x2,54)"
  rect 0.9x0.9 hole 0.6: 1(0,0)
  round 0.9 hole 0.6: 2(0,2.54) 3(1.27,0) 4(1.27,2.54) 5(2.54,0) 6(2.54,2.54) 7(3.81,0) 8(3.81,2.54) 9(5.08,0) 10(5.08,2.54) 11(6.35,0) 12(6.35,2.54) 13(7.62,0) 14(7.62,2.54) 15(8.89,0) 16(8.89,2.54) 17(10.16,0) 18(10.16,2.54) 19(11.43,0) 20(11.43,2.54)
  silkscreen extent -0.9,-0.9 12.43,3.44
QFN50P300X300X100-16N [mm] "QFN, 16-Leads, Body 3,2x3,2mm (max), Pitch 0,50mm, IPC Medium Density"
  rect 1.75x1.75 smd: 0(0,0)
  oval 0.75x0.25 smd: 1(-1.5,0.75) 2(-1.5,0.25) 3(-1.5,-0.25) 4(-1.5,-0.75) 9(1.5,-0.75) 10(1.5,-0.25) 11(1.5,0.25) 12(1.5,0.75)
  oval 0.25x0.75 smd: 5(-0.75,-1.5) 6(-0.25,-1.5) 7(0.25,-1.5) 8(0.75,-1.5) 13(0.75,1.5) 14(0.25,1.5) 15(-0.25,1.5) 16(-0.75,1.5)
  silkscreen extent -2.58,-1.6 1.6,1.6, body extent -1.58,-1.58 1.58,1.58, height 1
RFP144 [mm]
  rect 1.461x0.249 smd mask+0.05: 1(-10.625,8.75) 2(-10.625,8.25) 3(-10.625,7.75) 4(-10.625,7.25) 5(-10.625,6.75) 6(-10.625,6.25) 7(-10.625,5.75) 8(-10.625,5.25) 9(-10.625,4.75) 10(-10.625,4.25) 11(-10.625,3.75) 12(-10.625,3.25) 13(-10.625,2.75) 14(-10.625,2.25) 15(-10.625,1.75) 16(-10.625,1.25) 17(-10.625,0.75) 18(-10.625,0.25) 19(-10.625,-0.25) 20(-10.625,-0.75) 21(-10.625,-1.25) 22(-10.625,-1.75) 23(-10.625,-2.25) 24(-10.625,-2.75) 25(-10.625,-3.25) 26(-10.625,-3.75) 27(-10.625,-4.25) 28(-10.625,-4.75) 29(-10.625,-5.25) 30(-10.625,-5.75) 31(-10.625,-6.25) 32(-10.625,-6.75) 33(-10.625,-7.25) 34(-10.625,-7.75) 35(-10.625,-8.25) 36(-10.625,-8.75) 73(10.625,-8.75) 74(10.625,-8.25) 75(10.625,-7.75) 76(10.625,-7.25) 77(10.625,-6.75) 78(10.625,-6.25) 79(10.625,-5.75) 80(10.625,-5.25) 81(10.625,-4.75) 82(10.625,-4.25) 83(10.625,-3.75) 84(10.625,-3.25) 85(10.625,-2.75) 86(10.625,-2.25) 87(10.625,-1.75) 88(10.625,-1.25) 89(10.625,-0.75) 90(10.625,-0.25) 91(10.625,0.25) 92(10.625,0.75) 93(10.625,1.25) 94(10.625,1.75) 95(10.625,2.25) 96(10.625,2.75) 97(10.625,3.25) 98(10.625,3.75) 99(10.625,4.25) 100(10.625,4.75) 101(10.625,5.25) 102(10.625,5.75) 103(10.625,6.25) 104(10.625,6.75) 105(10.625,7.25) 106(10.625,7.75) 107(10.625,8.25) 108(10.625,8.75)
  rect 0.249x1.461 smd mask+0.05: 37(-8.75,-10.625) 38(-8.25,-10.625) 39(-7.75,-10.625) 40(-7.25,-10.625) 41(-6.75,-10.625) 42(-6.25,-10.625) 43(-5.75,-10.625) 44(-5.25,-10.625) 45(-4.75,-10.625) 46(-4.25,-10.625) 47(-3.75,-10.625) 48(-3.25,-10.625) 49(-2.75,-10.625) 50(-2.25,-10.625) 51(-1.75,-10.625) 52(-1.25,-10.625) 53(-0.75,-10.625) 54(-0.25,-10.625) 55(0.25,-10.625) 56(0.75,-10.625) 57(1.25,-10.625) 58(1.75,-10.625) 59(2.25,-10.625) 60(2.75,-10.625) 61(3.25,-10.625) 62(3.75,-10.625) 63(4.25,-10.625) 64(4.75,-10.625) 65(5.25,-10.625) 66(5.75,-10.625) 67(6.25,-10.625) 68(6.75,-10.625) 69(7.25,-10.625) 70(7.75,-10.625) 71(8.25,-10.625) 72(8.75,-10.625) 109(8.75,10.625) 110(8.25,10.625) 111(7.75,10.625) 112(7.25,10.625) 113(6.75,10.625) 114(6.25,10.625) 115(5.75,10.625) 116(5.25,10.625) 117(4.75,10.625) 118(4.25,10.625) 119(3.75,10.625) 120(3.25,10.625) 121(2.75,10.625) 122(2.25,10.625) 123(1.75,10.625) 124(1.25,10.625) 125(0.75,10.625) 126(0.25,10.625) 127(-0.25,10.625) 128(-0.75,10.625) 129(-1.25,10.625) 130(-1.75,10.625) 131(-2.25,10.625) 132(-2.75,10.625) 133(-3.25,10.625) 134(-3.75,10.625) 135(-4.25,10.625) 136(-4.75,10.625) 137(-5.25,10.625) 138(-5.75,10.625) 139(-6.25,10.625) 140(-6.75,10.625) 141(-7.25,10.625) 142(-7.75,10.625) 143(-8.25,10.625) 144(-8.75,10.625)
  rect 6.74x9.52 smd paste-4.747: EPAD(0,0.758)
  silkscreen extent -11.86,-11.86 11.86,11.86, body extent -11,-11.03 11,11, height 1.05
"SMD CAP 0603" [mm] "Chip Capacitor; Body 1.6 x 0.8 mm (LxW typ)"
  rect 1.1x1 smd: 1(-0.85,0) 2(0.85,0)
  body extent -0.83,-0.43 0.83,0.43, height 0.47
"SMD CAP 0805" [mm] "Chip Capacitor; Body 2.0 x 1.2 mm (LxW typ)"
  rect 1.3x1.5 smd: 1(-0.95,0) 2(0.95,0)
  body extent -1.2,-0.65 1.2,0.65, height 0.9
"SMD IND 0805" [mm] "Chip Capacitor; Body 2.0 x 1.2 mm (LxW typ)"
  rect 1.3x1.5 smd: 1(-0.95,0) 2(0.95,0)
  body extent -1,-0.76 1,0.75, height 1.7
"SMD RES 0603" [mm] "Chip Capacitor; Body 1.6 x 0.8 mm (LxW typ)"
  rect 1.1x1 smd: 1(-0.85,0) 2(0.85,0)
  body extent -0.81,-0.41 0.81,0.41, height 0.47
SOIC16_M [mm] "SOIC, 16-Leads, Body 10.3x7.5mm, Pitch 1.27mm, IPC Low Density"
  oval 2.6x0.7 smd: 1(-4.6,4.445) 2(-4.6,3.175) 3(-4.6,1.905) 4(-4.6,0.635) 5(-4.6,-0.635) 6(-4.6,-1.905) 7(-4.6,-3.175) 8(-4.6,-4.445) 9(4.6,-4.445) 10(4.6,-3.175) 11(4.6,-1.905) 12(4.6,-0.635) 13(4.6,0.635) 14(4.6,1.905) 15(4.6,3.175) 16(4.6,4.445)
  silkscreen extent -4.72,-5.25 2.9,5.47, body extent -3.75,-5.25 3.75,5.25, height 2.65
SOIC127P800X216-8N [mm] "SOIC, 8-Leads, Body 5,3x5,4mm (max), Pitch 1,27mm, IPC Medium Density"
  oval 1.85x0.6 smd: 1(-3.6,1.905) 2(-3.6,0.635) 3(-3.6,-0.635) 4(-3.6,-1.905) 5(3.6,-1.905) 6(3.6,-0.635) 7(3.6,0.635) 8(3.6,1.905)
  silkscreen extent -3.73,-2.65 2.27,2.88, body extent -2.7,-2.68 2.7,2.68, height 2.16
SOT95P237X120-3N [mm] "SOT23, 3-Leads, Body 3,0x2,6mm (max), Pitch 0,95mm, IPC Medium Density"
  rect 1.6x0.6 smd: 1(-0.9,0.95) 2(-0.9,-0.95) 3(0.9,0)
  silkscreen extent -1.03,-1.5 0.7,1.92, body extent -0.7,-1.52 0.7,1.52, height 1.2
"TI-SOT23 SOT95P280X145-5N" [mm] "SOT23, 5-Leads, Body 3,0x3,0mm (max), Pitch 0,95mm, IPC Medium Density"
  rect 1.1x0.6 smd: 1(-1.2,0.95) 2(-1.2,0) 3(-1.2,-0.95) 4(1.2,-0.95) 5(1.2,0.95)
  body extent -0.87,-1.52 0.87,1.53, height 1.45